# Altium PCB smu_unit.PcbDoc (part 1 of 3) (continued)
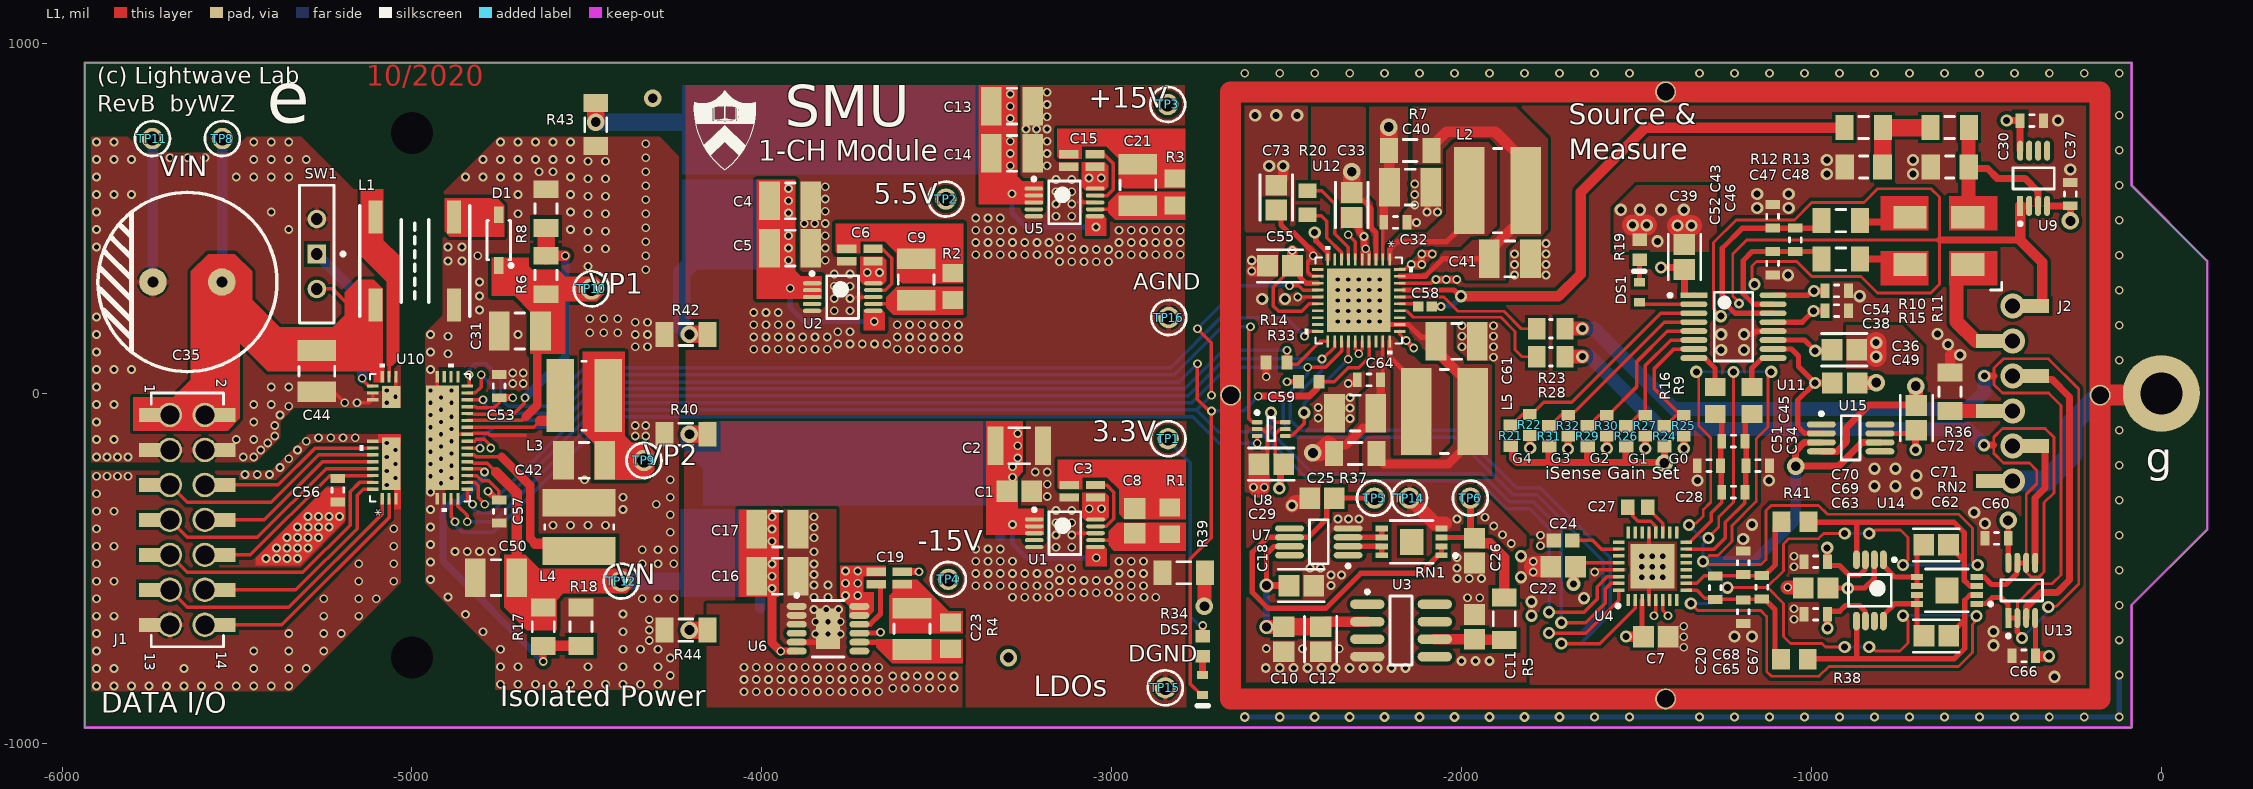
[diagram p0: L1 view]
## Components (designator, comment, footprint, x,y, rotation, side; value= is the part's Value field where it differs from the comment) (continued)
R36 "TNPW120620R0BEEN" RESC3216X04N -604,5 r90 top value=20
R37 "0" RESC3216X105X45ML10T20 -2304.01,-171.29 r0 top
R38 "TNPW0805100KBEEA" RESC2013X55X40ML15T20 -1049,-760 r180 top value=100
R39 "0" RESC3216X105X45ML10T20 -2793.89,-512.41 r0 top
R40 "0" RESC3216X105X45ML10T20 -4216.89,-116.41 r180 top
R41 "TNPW0805100KBEEA" RESC2013X55X40ML15T20 -1047,-367 r180 top value=100
R42 "0" RESC3216X105X45ML10T20 -4216.89,168.59 r0 top
R43 "0" RESC3216X105X45ML10T20 -4474.89,768.59 r90 top
R44 "0" RESC3216X105X45ML10T20 -4216.89,-676.41 r0 top
RN1 "LT5400AHMS8E-4#PBF" FP-MS8E-8-05-08-1662-MFG -2142.55,-424.2 r180 top value=1kΩ
RN2 "LT5400AHMS8E-4#PBF" FP-MS8E-8-05-08-1662-MFG -613,-563 r180 top value=1kΩ
SW1 "09.03201.02" EOZ-09.03201.02-3 -5271.89,398.59 r270 top
TP1 "5002" KSTN-5002 -2838.89,-129.41 r0 top
TP2 "5002" KSTN-5002 -3473.89,555.59 r0 top
TP3 "5002" KSTN-5002 -2840,826 r0 top
TP4 "5002" KSTN-5002 -3466.89,-531.41 r0 top
TP5 "5002" KSTN-5002 -2249,-299 r0 top
TP6 "5002" KSTN-5002 -1975,-299 r90 top
TP8 "5002" KSTN-5002 -5541.89,728.59 r0 top
TP9 "5002" KSTN-5002 -4336.89,-191.41 r90 top
TP10 "5002" KSTN-5002 -4486.89,298.59 r0 top
TP11 "5001" KSTN-5001 -5741.89,728.59 r90 top
TP12 "5002" KSTN-5002 -4401.89,-536.41 r90 top
TP14 "5001" KSTN-5001 -2149,-299 r90 top
TP15 "5001" KSTN-5001 -2846.89,-841.41 r90 top
TP16 "5001" KSTN-5001 -2837,217 r90 top
U1 "LT3042" TSSOP50P490X110-10N -3133.89,-399.41 r0 top
U2 "LT3042" TSSOP50P490X110-10N -3768.89,275.59 r0 top
U3 "ADR4525BRZ" ADI-R-8_M -2172.89,-677.41 r0 top
U4 "MAX11254ATJ+" QFN50P500X500X80-33N -1454.54,-493.79 r90 top
U5 "LT3042" TSSOP50P490X110-10N -3135,546 r0 top
U6 "LT3093" TSOP65P510X110_HS-13N -3810.78,-672.52 r0 top
U7 "ADA4528-1ARMZ" ADI-RM-8_M -2408,-424 r180 top
U8 "SN74LVC1G19DRLR" DRL0006A_M -2544,-102 r0 top
U9 "ADA4522-2ARMZ" FP-RM-8-IPC_C -365,615 r90 top
U10 "ADP1031ACPZ" CP_41_1 -4976.89,-126.41 r90 top value=Value
U11 "PGA281AIPWR" FP-PW0016A-IPC_A -1223,191 r0 top
U12 "AD5753BCPZ" CP_40_15-M -2293.9,265.96 r270 top value=Value
U13 "ADA4522-2ARMZ" FP-RM-8-IPC_C -399,-563 r90 top
U14 "THP210" TSOP65P490X110-8N -833,-563 r270 top
U15 "ADA4528-1ARMZ" ADI-RM-8_M -888,-127 r0 top

## Footprints (in the part's own frame and the unit in brackets; to place one, negate y for a bottom-side part, rotate by r counter-clockwise, add the part's x,y. Pads: shape width x height; smd on the part's side, far side on the other; paste and mask are expansions set on the pad)
750316743 [mil]
  rect 94x40 smd: 1(126,112) 2(126,-112) 3(-126,-112) 4(-126,112)
  silkscreen extent -157,-157 157,157, body extent -169,-163 169,163, height 380
61031421821 [mm] "Socket Header, Pitch 2.54 mm, SMT, Vertical, dual row, 14p"
  rect 1x1.8 smd: 1(-7.62,-2.6) 2(-7.62,2.6) 3(-5.08,-2.6) 4(-5.08,2.6) 5(-2.54,-2.6) 6(-2.54,2.6) 7(0,-2.6) 8(0,2.6) 9(2.54,-2.6) 10(2.54,2.6) 11(5.08,-2.6) 12(5.08,2.6) 13(7.62,-2.6) 14(7.62,2.6)
  silkscreen extent -9.22,-2.62 9.22,2.62, body extent -8.89,-3.35 8.89,3.35, height 8.52
A759PY687M1HAAE026 [mm]
  round 2 hole 0.8: 1(0,-2.5) 2(0,2.5)
  silkscreen extent -6.5,-6.5 6.5,6.5
ADI-R-8_M [mm] "SOIC, 8-Leads, Body 4.9x3.9mm, Pitch 1.27mm, IPC Low Density"
  oval 2.5x0.7 smd: 1(-2.45,1.905) 2(-2.45,0.635) 3(-2.45,-0.635) 4(-2.45,-1.905) 5(2.45,-1.905) 6(2.45,-0.635) 7(2.45,0.635) 8(2.45,1.905)
  silkscreen extent -2.57,-2.5 0.8,2.93, body extent -2,-2.5 2,2.5, height 1.75
ADI-RM-8_M [mm] "SOP, 8-Leads, Body 3x3mm, Pitch 0.65mm, IPC Low Density"
  oval 2.1x0.45 smd: 1(-2.125,0.975) 2(-2.125,0.325) 3(-2.125,-0.325) 4(-2.125,-0.975) 5(2.125,-0.975) 6(2.125,-0.325) 7(2.125,0.325) 8(2.125,0.975)
  silkscreen extent -2.25,-1.6 0.67,1.87, body extent -1.6,-1.6 1.6,1.6, height 1.1
CAP0805_4P [mm]
  rect 1.4x0.6 smd mask+0.076: 1(-0.95,0.45) 2(-0.95,-0.45) 3(0.95,0.45) 4(0.95,-0.45)
  body extent -1.02,-0.64 1.02,0.64, height 1.27
CAPC1005X55X25ML05T10 [mm] "Chip Capacitor, 2-Leads, Body 1.00x0.50mm, IPC Low Density"
  rect 0.76x0.72 smd: 1(-0.49,0) 2(0.49,0)
  body extent -0.53,-0.28 0.53,0.27, height 0.55
CAPC1608X87X35ML15T15 [mm] "Chip Capacitor, 2-Leads, Body 1.60x0.80mm, IPC Low Density"
  rect 1x1.1 smd: 1(-0.725,0) 2(0.725,0)
  body extent -0.87,-0.48 0.87,0.47, height 0.87
CAPC1608X90X20ML10 [mm] "Chip Capacitor, 2-Leads, Body 1.70x0.90mm, IPC Low Density"
  rect 0.65x1.05 smd: 1(-0.85,0) 2(0.85,0)
  silkscreen extent -0.15,-0.43 0.15,0.43, body extent -0.85,-0.45 0.85,0.45, height 0.9
CAPC1608X90X40ML10T20 [mm] "Chip Capacitor, 2-Leads, Body 1.7x0.9mm, IPC Low Density"
  rect 1.05x1.05 smd: 1(-0.675,0) 2(0.675,0)
  body extent -0.85,-0.45 0.85,0.45, height 0.9
CAPC2013X140X50ML20T25 [mm] "Chip Capacitor, 2-Leads, Body 2.00x1.25mm, IPC Low Density"
  rect 1.5x1.55 smd: 1(-0.9,0) 2(0.9,0)
  body extent -1.1,-0.72 1.1,0.72, height 1.4
CAPC2013X145X50ML20T25 [mm] "Chip Capacitor, 2-Leads, Body 2.00x1.25mm, IPC Low Density"
  rect 1.5x1.55 smd: 1(-0.9,0) 2(0.9,0)
  body extent -1.1,-0.72 1.1,0.72, height 1.45
CAPC3216X16N [mm] "Chip Capacitor, 2-Leads, Body 3.20x1.60mm, IPC Medium Density"
  rect 1.35x1.8 smd: 1(-1.375,0) 2(1.375,0)
  silkscreen extent -0.3,-0.8 0.3,0.8, body extent -1.7,-0.9 1.7,0.9, height 1.6
CAPC3225X270X30ML30 [mm] "Chip Capacitor, 2-Leads, Body 3.5x2.7mm, IPC Low Density"
  rect 1.15x2.8 smd: 1(-1.725,0) 2(1.725,0)
  silkscreen extent -0.75,-1.3 0.75,1.3, body extent -1.75,-1.35 1.75,1.35, height 2.7
CAPC3225X280X50ML20T25 [mm] "Chip Capacitor, 2-Leads, Body 3.4x2.7mm, IPC Low Density"
  rect 1.5x2.8 smd: 1(-1.5,0) 2(1.5,0)
  silkscreen extent -0.35,-1.3 0.35,1.3, body extent -1.7,-1.35 1.7,1.35, height 2.8
CP_40_15-M [mm]
  rect 0.856x0.198 smd paste+0 mask+0: 1(-2.978,2.25) 2(-2.978,1.75) 3(-2.978,1.25) 4(-2.978,0.75) 5(-2.978,0.25) 6(-2.978,-0.25) 7(-2.978,-0.75) 8(-2.978,-1.25) 9(-2.978,-1.75) 10(-2.978,-2.25) 21(2.978,-2.25) 22(2.978,-1.75) 23(2.978,-1.25) 24(2.978,-0.75) 25(2.978,-0.25) 26(2.978,0.25) 27(2.978,0.75) 28(2.978,1.25) 29(2.978,1.75) 30(2.978,2.25)
  rect 0.198x0.856 smd paste+0 mask+0: 11(-2.25,-2.978) 12(-1.75,-2.978) 13(-1.25,-2.978) 14(-0.75,-2.978) 15(-0.25,-2.978) 16(0.25,-2.978) 17(0.75,-2.978) 18(1.25,-2.978) 19(1.75,-2.978) 20(2.25,-2.978) 31(2.25,2.978) 32(1.75,2.978) 33(1.25,2.978) 34(0.75,2.978) 35(0.25,2.978) 36(-0.25,2.978) 37(-0.75,2.978) 38(-1.25,2.978) 39(-1.75,2.978) 40(-2.25,2.978)
  rect 4.6x4.6 smd paste-2.287 mask+0: 41(0,0)
  rect 4.6x4.6 smd far side paste-2.287 mask+0: 41(0,0)
  silkscreen extent -3.91,-3.91 3.91,3.91, body extent -2.92,-2.92 2.92,2.92, height 0.89
CP_41_1 [mm]
  rect 0.84x0.241 smd paste+0 mask+0: 1(-4.435,2.75) 2(-4.435,2.25) 3(-4.435,1.75) 4(-4.435,-1.25) 5(-4.435,-1.75) 6(-4.435,-2.25) 7(-4.435,-2.75) 24(4.435,-2.75) 25(4.435,-2.25) 26(4.435,-1.75) 27(4.435,-1.25) 28(4.435,1.75) 29(4.435,2.25) 30(4.435,2.75)
  rect 0.241x0.84 smd paste+0 mask+0: 8(-3.75,-3.435) 9(-3.25,-3.435) 10(-2.75,-3.435) 11(-2.25,-3.435) 12(-1.75,-3.435) 13(-1.25,-3.435) 14(-0.75,-3.435) 15(-0.25,-3.435) 16(0.25,-3.435) 17(0.75,-3.435) 18(1.25,-3.435) 19(1.75,-3.435) 20(2.25,-3.435) 21(2.75,-3.435) 22(3.25,-3.435) 23(3.75,-3.435) 31(3.75,3.435) 32(3.25,3.435) 33(2.75,3.435) 34(-0.25,3.435) 35(-0.75,3.435) 36(-1.25,3.435) 37(-1.75,3.435) 38(-2.25,3.435) 39(-2.75,3.435) 40(-3.25,3.435) 41(-3.75,3.435)
  rect 3.78x1.36 smd paste+0 mask+0: 42(-1.89,2.095)
  rect 3.78x1.36 smd far side: 42(-1.89,2.095)
  rect 7.6x2.4 smd paste+0 mask+0: 43(0,-1.628)
  rect 7.6x2.4 smd far side: 43(0,-1.628)
  rect 1.62x1.36 smd paste+0 mask+0: 44(2.96,2.095)
  rect 1.62x1.36 smd far side: 44(2.96,2.095)
  silkscreen extent -5.36,-3.63 5.36,4.36, body extent -4.45,-3.43 4.44,3.43, height 0.89
DIOD-SOD-123-2_V [mm] "SOD-123, 2-Leads, Body 2.85x1.7mm (max), Pitch 3.7mm"
  rect 1.2x0.7 smd: 1(-1.85,0) 2(1.85,0)
  silkscreen extent -1.43,-0.85 1.97,1.03, body extent -1.42,-0.85 1.43,0.85, height 1.45
DRL0006A_M [mm] "SOT23, 6-Leads, Body 1.7x1.3mm, Pitch 0.5mm, IPC Low Density"
  rrect33% 0.75x0.3 smd: 1(-1.025,0.5) 2(-1.025,0) 3(-1.025,-0.5) 4(1.025,-0.5) 5(1.025,0) 6(1.025,0.5)
  silkscreen extent -1.15,-0.85 0.25,1.32, body extent -0.65,-0.85 0.65,0.85, height 0.6
EOZ-09.03201.02-3 [mm] "TH, 3-Leads, Body 10x2.5mm, Pitch 2.54mm"
  rect 1.35x1.35 hole 0.85: 1(0,0)
  round 1.35 hole 0.85: 2(-2.54,0) 3(2.54,0)
  silkscreen extent -5,-1.25 5,2.02, body extent -5,-1.25 5,1.25, height 6.4
FP-C0805C-DN-IPC_A [mil]
  rect 59.24x61.27 smd paste+0 mask+0: 1(-35.46,0) 2(35.46,0)
  silkscreen extent -65,-46 65,46, body extent -85,-50 85,50, height 10
FP-MS8E-8-05-08-1662-MFG [mm]
  rect 0.889x0.42 smd paste+0 mask+0: 1(-2.171,0.975) 2(-2.171,0.325) 3(-2.171,-0.325) 4(-2.171,-0.975) 5(2.171,-0.975) 6(2.171,-0.325) 7(2.171,0.325) 8(2.171,0.975)
  rect 1.68x1.88 smd paste+0 mask+0: 9(0,0)
  silkscreen extent -3.3,-1.55 1.55,1.55, body extent -2.72,-1.8 2.72,1.8, height 0.25
FP-PW0016A-IPC_A [mm]
  rect 1.955x0.421 smd paste+0 mask+0: 1(-2.875,2.275)
  rrect100% 1.955x0.421 smd paste+0 mask+0: 2(-2.875,1.625) 3(-2.875,0.975) 4(-2.875,0.325) 5(-2.875,-0.325) 6(-2.875,-0.975) 7(-2.875,-1.625) 8(-2.875,-2.275) 9(2.875,-2.275) 10(2.875,-1.625) 11(2.875,-0.975) 12(2.875,-0.325) 13(2.875,0.325) 14(2.875,0.975) 15(2.875,1.625) 16(2.875,2.275)
  silkscreen extent -4.73,-2.5 1.4,2.5, body extent -4.35,-3 4.35,3, height 0.25
FP-RM-8-IPC_C [mm]
  rect 1.454x0.436 smd paste+0 mask+0: 1(-2,0.975)
  rrect100% 1.454x0.436 smd paste+0 mask+0: 2(-2,0.325) 3(-2,-0.325) 4(-2,-0.975) 5(2,-0.975) 6(2,-0.325) 7(2,0.325) 8(2,0.975)
  silkscreen extent -3.43,-1.5 0.77,1.5
"HEADER 6 SMD" [mil]
  rect 39x79 smd: 1(0,129.92) 2(100,0) 3(200,129.92) 4(300,0) 5(400,129.92) 6(500,0)
KSTN-5001 [mm] "Test Point, Through Hole, Dia 2.54mm"
  round 1.55 hole 1.016: 1(0,0)
  silkscreen extent -1.27,-1.27 1.27,1.27, body extent -1.25,-1.25 1.25,1.25, height 4.62
KSTN-5002 [mm] "Test Point, Through Hole, Dia 2.54mm"
  round 1.55 hole 1.016: 1(0,0)
  silkscreen extent -1.27,-1.27 1.27,1.27, body extent -1.25,-1.25 1.25,1.25, height 4.62
QFN50P500X500X80-33N [mm]
  rect 0.85x0.25 smd paste+0 mask+0: 1(-2.45,1.75) 2(-2.45,1.25) 3(-2.45,0.75) 4(-2.45,0.25) 5(-2.45,-0.25) 6(-2.45,-0.75) 7(-2.45,-1.25) 8(-2.45,-1.75) 17(2.45,-1.75) 18(2.45,-1.25) 19(2.45,-0.75) 20(2.45,-0.25) 21(2.45,0.25) 22(2.45,0.75) 23(2.45,1.25) 24(2.45,1.75)
  rect 0.25x0.85 smd paste+0 mask+0: 9(-1.75,-2.45) 10(-1.25,-2.45) 11(-0.75,-2.45) 12(-0.25,-2.45) 13(0.25,-2.45) 14(0.75,-2.45) 15(1.25,-2.45) 16(1.75,-2.45) 25(1.75,2.45) 26(1.25,2.45) 27(0.75,2.45) 28(0.25,2.45) 29(-0.25,2.45) 30(-0.75,2.45) 31(-1.25,2.45) 32(-1.75,2.45)
  rect 3.2x3.2 smd paste+0 mask+0: 33(0,0)
  silkscreen extent -3,2.37 -2.75,2.62, body extent -2.55,-2.55 2.55,2.55, height 0.8
RESC1608X55X25ML10T15 [mm] "Chip Resistor, 2-Leads, Body 1.60x0.80mm, IPC Low Density"
  rect 0.8x1 smd: 1(-0.75,0) 2(0.75,0)
  body extent -0.85,-0.45 0.85,0.45, height 0.55
RESC1608X55X30ML15T15 [mm] "Chip Resistor, 2-Leads, Body 1.60x0.80mm, IPC Low Density"
  rect 0.9x1.05 smd: 1(-0.725,0) 2(0.725,0)
  body extent -0.87,-0.48 0.87,0.48, height 0.55
RESC2012X04N [mm] "Chip Resistor, 2-Leads, Body 2.00x1.20mm, IPC Medium Density"
  rect 1.05x1.3 smd: 1(-0.875,0) 2(0.875,0)
  body extent -1.05,-0.65 1.05,0.65, height 0.45
RESC2013X50X30ML20T20 [mm] "Chip Resistor, 2-Leads, Body 2.00x1.25mm, IPC Low Density"
  rect 1.25x1.55 smd: 1(-1.025,0) 2(1.025,0)
  silkscreen extent -0.1,-0.67 0.1,0.67, body extent -1.1,-0.72 1.1,0.72, height 0.5
RESC2013X55X40ML15T20 [mm] "Chip Resistor, 2-Leads, Body 2.00x1.25mm, IPC Low Density"
  rect 1.3x1.5 smd: 1(-0.975,0) 2(0.975,0)
  body extent -1.07,-0.7 1.08,0.7, height 0.55
RESC3216X04N [mm] "Chip Resistor, 2-Leads, Body 3.20x1.60mm, IPC Medium Density"
  rect 1.3x1.8 smd: 1(-1.4,0) 2(1.4,0)
  silkscreen extent -0.35,-0.8 0.35,0.8, body extent -1.7,-0.9 1.7,0.9, height 0.4
RESC3216X105X45ML10T20 [mm] "Chip Resistor, 2-Leads, Body 3.20x1.60mm, IPC Low Density"
  rect 1.3x1.8 smd: 1(-1.55,0) 2(1.55,0)
  silkscreen extent -0.5,-0.8 0.5,0.8, body extent -1.65,-0.85 1.65,0.85, height 1.05
RSHUNT [mil]
  rect 95x65 smd: 1(-82.5,67.5) 2(-82.5,-67.5) 3(82.5,-67.5) 4(82.5,67.5)
  L1 region: 29.53,-127.95 167.32,-127.95 167.32,-29.53 29.53,-29.53
  L1 region: 29.53,29.53 167.32,29.53 167.32,127.95 29.53,127.95
  L1 region: -167.32,-127.95 -29.53,-127.95 -29.53,-29.53 -167.32,-29.53
  L1 region: -167.32,29.53 -29.53,29.53 -29.53,127.95 -167.32,127.95
  silkscreen extent -180,118 -148,140, body extent -125,-80 125,80, height 40
TSOP65P490X110-8N [mm] "TSOP, 8-Leads, Body 3.00x3.00mm, Pitch 0.65mm, IPC Medium Density"
  oval 1.35x0.5 smd: 1(-2.225,0.975) 2(-2.225,0.325) 3(-2.225,-0.325) 4(-2.225,-0.975) 5(2.225,-0.975) 6(2.225,-0.325) 7(2.225,0.325) 8(2.225,0.975)
  silkscreen extent -2.35,-1.55 1.15,1.9, body extent -1.55,-1.55 1.55,1.55, height 1.1
TSOP65P510X110_HS-13N [mm] "TSOP, 12-Leads, Body 4.00x3.00mm, Pitch 0.65mm, Thermal Pad 2.95x1.75mm, IPC Medium Density"
  oval 1.45x0.5 smd: 1(-2.275,1.625) 2(-2.275,0.975) 3(-2.275,0.325) 4(-2.275,-0.325) 5(-2.275,-0.975) 6(-2.275,-1.625) 7(2.275,-1.625) 8(2.275,-0.975) 9(2.275,-0.325) 10(2.275,0.325) 11(2.275,0.975) 12(2.275,1.625)
  rect 1.75x2.95 smd: 13(0,0)
  silkscreen extent -2.4,-2.05 1.15,2.55, body extent -1.55,-2.05 1.55,2.05, height 1.1
TSSOP50P490X110-10N [mm] "TSSOP, 10-Leads, Body 3.00x3.00mm, Pitch 0.50mm, IPC Medium Density"
  oval 1.35x0.3 smd: 1(-2.225,1) 2(-2.225,0.5) 3(-2.225,0) 4(-2.225,-0.5) 5(-2.225,-1) 6(2.225,-1) 7(2.225,-0.5) 8(2.225,0) 9(2.225,0.5) 10(2.225,1)
  silkscreen extent -2.35,-1.55 1.15,1.82, body extent -1.55,-1.55 1.55,1.55, height 1.1
VISH-TLMS1000_V [mm] "SMD, 2-Leads, Body 0.8x1.6mm"
  rect 0.6x0.8 smd: 1(-0.725,0) 2(0.725,0)
  silkscreen extent 1.52,-0.4 1.52,0.4, body extent -0.8,-0.4 0.8,0.4, height 0.65
WE-TPC-4828-MH [mm] "SMD Inductor, 2-Leads, Body 4.8 x 4.8 mm"
  rect 2x5.3 smd: 1(-1.75,0) 2(1.75,0)
  silkscreen extent -0.15,-2.5 0.15,2.5, body extent -2.4,-2.4 2.4,2.4, height 2.79
WE-TPC-5818-L [mm] "SMD Inductor, 2-Leads, Body 5.8 x 5.8 mm"
  rect 2.2x6.3 smd: 1(-2.05,0) 2(2.05,0)
  silkscreen extent -0.3,-3.05 0.3,3.05, body extent -2.9,-2.9 2.9,2.9, height 1.79

## Part data
C1 C7 C8 C10 C11 C22: library part CMP-2007-03297-1, Manufacturer=Kemet, Part Number=C0805C475K4PACTU, Rated Voltage=16V
C2: library part CMP-2000-06364-1, "Chip Capacitor, 22 uF, +/- 10%, 16 V, -55 to 125 degC, 1210 (3225 Metric), RoHS, Tape and Reel", Capacitance=22uF, Case Size/Dimension=1210, Dielectric=X7R, Manufacturer=Murata, Package Description="2-Pin Surface Mount Device, Body 3.2 x 2.5 mm", Rated Voltage=16V, Tolerance (%)=±10%, Datasheet URL=http://media.digikey.com/pdf/Data%20Sheets/Murata%20PDFs/grm32er71c226ke18.pdf, Datasheet Version=11/2010, Manufacturer URL=http://www.murata.com/, Mounting Technology=SurfaceMount, Package Reference=1210
C3: library part CAP0805_4P, Rated Voltage=16V
C4 C13 C16 C31 C40 C41 C42 C44 C50 C59 C61: library part CMP-2000-07565-1, "Chip Capacitor, 10 uF, +/- 10%, 50 V, -55 to 125 degC, 1210 (3225 Metric), RoHS, Tape and Reel", Capacitance=10uF, Case Code (Imperial)=1210, Case Code (Metric)=3225, Dielectric=X7R, Dielectric Material=Ceramic, Manufacturer=Kemet, Max Operating Temperature=125degC, Min Operating Temperature=-55degC, Package Description="2-Pin Surface Mount Device, Body 3.2 x 2.5 mm", Package Quantity=1000, Tolerance=10%, Voltage=50V, Case\/Package=1210, Datasheet URL=http://www.kemet.com/Lists/ProductCatalog/Attachments/53/KEM_C1002_X7R_SMD.pdf, Datasheet Version=06/2017, Depth=2.5mm, Height=2.5mm, Length=3.2mm, Manufacturer URL=http://www.kemet.com/, Mount=SurfaceMount, Mounting Technology=SurfaceMount, Package Reference=1210, Packaging=TapeandReel, REACH SVHC=NoSVHC, RoHSCompliant=True, Termination=SMD/SMT, Thickness=0.11inch, Voltage Rating=50V, Voltage Rating (DC)=50V, Weight=0.000564oz, Width=2.5mm
C5 C9 C14 C17 C21 C23: library part CMP-2000-07565-1, "Chip Capacitor, 10 uF, +/- 10%, 50 V, -55 to 125 degC, 1210 (3225 Metric), RoHS, Tape and Reel", Capacitance=4.7uF, Case Code (Imperial)=1210, Case Code (Metric)=3225, Dielectric=X7R, Dielectric Material=Ceramic, Manufacturer=Kemet, Max Operating Temperature=125degC, Min Operating Temperature=-55degC, Package Description="2-Pin Surface Mount Device, Body 3.2 x 2.5 mm", Package Quantity=1000, Tolerance=10%, Voltage=50V, Case\/Package=1210, Datasheet URL=http://www.kemet.com/Lists/ProductCatalog/Attachments/53/KEM_C1002_X7R_SMD.pdf, Datasheet Version=06/2017, Depth=2.5mm, Height=2.5mm, Length=3.2mm, Manufacturer URL=http://www.kemet.com/, Mount=SurfaceMount, Mounting Technology=SurfaceMount, Package Reference=1210, Packaging=TapeandReel, REACH SVHC=NoSVHC, RoHSCompliant=True, Termination=SMD/SMT, Thickness=0.11inch, Voltage Rating=50V, Voltage Rating (DC)=50V, Weight=0.000564oz, Width=2.5mm
C6 C15 C19: library part CAP0805_4P, Rated Voltage=50V
C12 C33 C55 C62 C71 C73: library part CMP-03020-007116-1, "CAP CER 0.1UF 16V X7R 0805", Capacitance="0.10 μF", Manufacturer=KEMET, Package=C0805C-DN, Temperature="-55°C to +125°C", Temperature Characteristic=X7R, Temperature Coefficient=30ppm/°C, Temperature Range High=+125°C, Temperature Range Low=-55°C, Tolerance=0.05, Voltage Rating="16 V", Automotive=No, Category=Cap, ComponentLink2Description=Datasheet, ComponentLink2URL=https://content.kemet.com/datasheets/KEM_C1003_C0G_SMD.pdf, Device Class L1="Passive Components", Device Class L2=Capacitors, Device Class L3="Ceramic Capacitors", Digikey Description="CAP CER 0.1UF 16V X7R 0805", Height=0.88mm, Ipc Land Pattern Name=CAPC200125X78, Lead Free=Yes, Manufacturer Part Number=C0805C104J4RACTU, Material=Ceramic, Mouser Description="Multilayer Ceramic Capacitors MLCC - SMD/SMT 16volts 0.1uF X7R 5%", Octopart=https://octopart.com/c0805c104j4ractu-kemet-12563748, RoHS=TRUE
C18 C29 C36 C39 C72: library part CMP-03020-032188-1, "CAP CER 0.1UF 10V 5% X7R 0805", Capacitance="0.10 μF", Manufacturer=KEMET, Package=C0805C-DN, Temperature="-55°C to +125°C", Temperature Characteristic=X7R, Temperature Coefficient=30ppm/°C, Temperature Range High=+125°C, Temperature Range Low=-55°C, Tolerance=0.05, Voltage Rating="10 V", Automotive=No, Category=Cap, ComponentLink2Description=Datasheet, ComponentLink2URL=https://content.kemet.com/datasheets/KEM_C1003_C0G_SMD.pdf, Device Class L1="Passive Components", Device Class L2=Capacitors, Device Class L3="Ceramic Capacitors", Digikey Description="CAP CER 0.1UF 10V 5% X7R 0805", Height=0.88mm, Ipc Land Pattern Name=CAPC200125X78, Lead Free=Yes, Manufacturer Part Number=C0805C104J8RACTU, Material=Ceramic, Mouser Description="Multilayer Ceramic Capacitors MLCC - SMD/SMT 10volts 0.1uF X7R 5%", Octopart=https://octopart.com/c0805c104j8ractu-kemet-11807087, RoHS=TRUE
C20 C28: library part CMP-2000-07546-1, "Chip Capacitor, 0.1 uF, +/- 10%, 50 V, -55 to 125 degC, 0603 (1608 Metric), RoHS, Tape and Reel", Capacitance=1nF, Case Code (Imperial)=0603, Case Code (Metric)=1608, Dielectric=X7R, Manufacturer=TDK, Max Operating Temperature=125degC, Min Operating Temperature=-55degC, Package Description="2-Pin Surface Mount Device, Body 1.6 x 0.8 mm", Package Quantity=1, Package Reference=603, Tolerance=10%, Voltage=50V, Voltage Rating=16V, Case/Package=0603, Composition=Ceramic, Datasheet URL=https://product.tdk.com/info/en/catalog/datasheets/mlcc_automotive_general_en.pdf, Datasheet Version=12/2014, Depth=0.8mm, Height=0.8mm, Lead Free=LeadFree, Length=1.6mm, Manufacturer URL=http://www.tdk.com/, Mount=SurfaceMount, Mounting Technology=SurfaceMount, Packaging=TapeandReel, Radiation Hardening=No, REACH SVHC=NoSVHC, RoHSCompliant=True, Termination=SMD/SMT, Thickness=0.035inch, Voltage Rating (DC)=50V, Weight=7.1E-05oz, Width=0.8mm
C24: library part CMP-2100-03597-1, "Chip Capacitor, 220 nF, +/- 10%, 16 V, -55 to 125 degC, 0603 (1608 Metric), RoHS, Tape and Reel", Capacitance=220nF, Case Code (Imperial)=0603, Case Code (Metric)=1608, Dielectric=X7R, Manufacturer=Yageo, Max Operating Temperature=125degC, Min Operating Temperature=-55degC, Package Description="2-Pin Surface Mount Device, Body 1.6 x 0.8 mm", Package Quantity=1, Tolerance=10%, Voltage=16V, Case/Package=0603, Datasheet URL=http://www.yageo.com/documents/recent/UPY-GPHC_X7R_6.3V-to-50V_15.pdf, Datasheet Version="Rev. 15, 10/2016", Depth=0.8mm, Height=0.8mm, Lead Free=LeadFree, Length=1.6mm, Manufacturer URL=http://www.yageo.com/, Mount=SurfaceMount, Package Reference=0603, Packaging=TapeandReel, Radiation Hardening=No, REACH SVHC=NoSVHC, RoHSCompliant=True, Thickness=0.035inch, Voltage Rating=16V, Voltage Rating (DC)=16V, Width=0.031inch
C25 C49 C69: library part CMP-2007-03243-1, Manufacturer=Kemet, Part Number=C0805C106K8PACTU, Rated Voltage=6.3V
C26: library part CMP-2007-01029-1, Manufacturer=Kemet, Rated Voltage=10V, Part Number=C0805C275K8PACTU
C27: library part CMP-2006-03010-1, "C0603C102J3GACTU", Manufacturer=Kemet, Part Number=C0603C102J3GACTU
C30 C32 C37 C38 C54 C60 C63 C64 C66 C70: library part CMP-2000-07546-1, "Chip Capacitor, 0.1 uF, +/- 10%, 50 V, -55 to 125 degC, 0603 (1608 Metric), RoHS, Tape and Reel", Capacitance=0.1uF, Case Code (Imperial)=0603, Case Code (Metric)=1608, Dielectric=X7R, Manufacturer=TDK, Max Operating Temperature=125degC, Min Operating Temperature=-55degC, Package Description="2-Pin Surface Mount Device, Body 1.6 x 0.8 mm", Package Quantity=1, Package Reference=603, Tolerance=10%, Voltage=50V, Case/Package=0603, Composition=Ceramic, Datasheet URL=https://product.tdk.com/info/en/catalog/datasheets/mlcc_automotive_general_en.pdf, Datasheet Version=12/2014, Depth=0.8mm, Height=0.8mm, Lead Free=LeadFree, Length=1.6mm, Manufacturer URL=http://www.tdk.com/, Mount=SurfaceMount, Mounting Technology=SurfaceMount, Packaging=TapeandReel, Radiation Hardening=No, REACH SVHC=NoSVHC, RoHSCompliant=True, Termination=SMD/SMT, Thickness=0.035inch, Voltage Rating=50V, Voltage Rating (DC)=50V, Weight=7.1E-05oz, Width=0.8mm
C34 C43 C45 C46 C51 C52 C65 C67 C68: library part CMP-2000-07546-1, "Chip Capacitor, 0.1 uF, +/- 10%, 50 V, -55 to 125 degC, 0603 (1608 Metric), RoHS, Tape and Reel", Capacitance=3.9nF, Case Code (Imperial)=0603, Case Code (Metric)=1608, Dielectric=X7R, Manufacturer=TDK, Max Operating Temperature=125degC, Min Operating Temperature=-55degC, Package Description="2-Pin Surface Mount Device, Body 1.6 x 0.8 mm", Package Quantity=1, Package Reference=603, Tolerance=10%, Voltage=50V, Voltage Rating=16V, Case/Package=0603, Composition=Ceramic, Datasheet URL=https://product.tdk.com/info/en/catalog/datasheets/mlcc_automotive_general_en.pdf, Datasheet Version=12/2014, Depth=0.8mm, Height=0.8mm, Lead Free=LeadFree, Length=1.6mm, Manufacturer URL=http://www.tdk.com/, Mount=SurfaceMount, Mounting Technology=SurfaceMount, Packaging=TapeandReel, Radiation Hardening=No, REACH SVHC=NoSVHC, RoHSCompliant=True, Termination=SMD/SMT, Thickness=0.035inch, Voltage Rating (DC)=50V, Weight=7.1E-05oz, Width=0.8mm
C35: Rated Voltage=50V
C47 C48: library part "Cap Semi", "Capacitor (Semiconductor SIM Model)", Rated Voltage=16V, LatestRevisionDate=29-May-2009, LatestRevisionNote="IPC-7351 Footprint Added.", PackageDescription="Chip Capacitor", PackageReference=C1206, Published=8-Jun-2000, Publisher="Altium Limited"
C53 C57: library part CMP-2000-07546-1, "Chip Capacitor, 0.1 uF, +/- 10%, 50 V, -55 to 125 degC, 0603 (1608 Metric), RoHS, Tape and Reel", Capacitance=100nF, Case Code (Imperial)=0603, Case Code (Metric)=1608, Dielectric=X7R, Manufacturer=TDK, Max Operating Temperature=125degC, Min Operating Temperature=-55degC, Package Description="2-Pin Surface Mount Device, Body 1.6 x 0.8 mm", Package Quantity=1, Package Reference=603, Tolerance=10%, Voltage=50V, Case/Package=0603, Composition=Ceramic, Datasheet URL=https://product.tdk.com/info/en/catalog/datasheets/mlcc_automotive_general_en.pdf, Datasheet Version=12/2014, Depth=0.8mm, Height=0.8mm, Lead Free=LeadFree, Length=1.6mm, Manufacturer URL=http://www.tdk.com/, Mount=SurfaceMount, Mounting Technology=SurfaceMount, Packaging=TapeandReel, Radiation Hardening=No, REACH SVHC=NoSVHC, RoHSCompliant=True, Termination=SMD/SMT, Thickness=0.035inch, Voltage Rating=50V, Voltage Rating (DC)=50V, Weight=7.1E-05oz, Width=0.8mm
C56: library part CMP-2000-07546-1, "Chip Capacitor, 0.1 uF, +/- 10%, 16 V, -55 to 125 degC, 0603 (1608 Metric), RoHS, Tape and Reel", Capacitance=100nF, Case Code (Imperial)=0603, Case Code (Metric)=1608, Dielectric=X7R, Manufacturer=TDK, Max Operating Temperature=125degC, Min Operating Temperature=-55degC, Package Description="2-Pin Surface Mount Device, Body 1.6 x 0.8 mm", Package Quantity=1, Package Reference=603, Tolerance=10%, Voltage=50V, Case/Package=0603, Composition=Ceramic, Datasheet URL=https://product.tdk.com/info/en/catalog/datasheets/mlcc_automotive_general_en.pdf, Datasheet Version=12/2014, Depth=0.8mm, Height=0.8mm, Lead Free=LeadFree, Length=1.6mm, Manufacturer URL=http://www.tdk.com/, Mount=SurfaceMount, Mounting Technology=SurfaceMount, Packaging=TapeandReel, Radiation Hardening=No, REACH SVHC=NoSVHC, RoHSCompliant=True, Termination=SMD/SMT, Thickness=0.035inch, Voltage Rating=50V, Voltage Rating (DC)=50V, Weight=7.1E-05oz, Width=0.8mm
C58: library part CMP-2008-03726-1, Manufacturer=Murata, Part Number=GCM155R71H221KA37D
D1: library part CMP-0303-00004-1, "Surface Mount Schottky Barrier Diode, 100 V, -55 to 125 degC, 2-Pin SOD123, RoHS, Tape and Reel", Manufacturer="Diodes Inc", Operating Temperature="-55 to 125 degC", ComponentLink1Description="Manufacturer URL", ComponentLink1URL=http://www.diodes.com/, ComponentLink2Description=Datasheet, ComponentLink2URL=http://diodes.com/datasheets/ds30044.pdf, ComponentLink3Description="Package Specification", ComponentLink3URL=http://diodes.com/datasheets/ds30044.pdf, CT@1 V="12 pF Typ.", DatasheetVersion="Rev. 16-2", IR@1.5 V="0.3 uA Max.", Mounting Technology="Surface Mount", PackageDescription="2-Pin SMD, Body 2.7 x 1.55 mm, Height 1.45 mm", Packing="Tape and Reel", PartNumber=BAT46W-7-F, RoHS=TRUE, V(BR)R="100 V Min.", VF@10 mA="0.45 V Max."
DS1 DS2: library part CMP-2000-07254-1, "Low Current LED, 40 mW, 1.8 V, -40 to 100 degC, 2-Pin SMD (0603), RoHS, Tape and Reel", Forward Current If=2mA, Forward Voltage=1.8V, LED Colour=Red, Manufacturer=Vishay, Package Description="2-Pin Surface Mount Device, Body 1.6 x 0.8 mm", Package Reference=TLMS1000, Automotive Qualification Standard=AEC-Q100, Bulb Size=1.6mmx0.8mm, Datasheet URL=https://datasheet.ciiva.com/5798/1698881-5798337.pdf, Datasheet Version="Rev. 1.7, 02/2011", LED Mounting=SMD, Lens Shape=Rectangular, Luminous Intensity=4mcd, Manufacturer URL=http://www.vishay.com/, Mounting Technology=SurfaceMount, MSL=MSL2-1year, Packaging=CutTape, Product Range=-, SVHC=ToBeAdvised, Viewing Angle=80°, Wavelength Typ=636nm
J1: library part CMP-1502-01307-1, "SMT Vertical Socket Header WR-PHD, Pitch 2.54 mm, Dual Row, 14 pins", Contact Resistance=20mOhm, Manufacturer="Wurth Elektronik", Operating Temperature=-40to105degC, Rated Current=3A, Withstanding Voltage=600VAC, Working Voltage=250VAC, Datasheet URL=https://katalog.we-online.de/em/datasheet/6103xx21821.pdf, Gender=Female, Manufacturer URL=http://www.we-online.de, Mounting Technology=SMT, Orientation=Vertical, Package Reference=61031421821, Packaging=TapeandReel, Part Number=61031421821, Pin Number=14, Pitch=2.54mm, Publisher=WurthElektronik, Row Number=Dual
L2 L5: library part CMP-0227-00402-1, "SMD Shielded Tiny Power Inductor WE-TPC, L = 47.0 µH", Inductance="47 µH", ComponentLink1Description="Manufacturer Link", ComponentLink1URL=http://www.we-online.com, ComponentLink2Description=Datasheet, ComponentLink2URL=http://www.we-online.de/katalog/media/pdf/744052470.pdf, DatasheetVersion="ver 7, Aug-2010", PackageDescription="SMD Inductor, 2-Leads, Body 5.8 x 5.8 mm", PackageReference=WE-TPC-5818-L, PackageVersion=2010
L3 L4: library part CMP-0227-00334-1, "SMD Shielded Tiny Power Inductor WE-TPC, L = 100 µH", Inductance="100 µH", ComponentLink1Description="Manufacturer Link", ComponentLink1URL=http://www.we-online.com, ComponentLink2Description=Datasheet, ComponentLink2URL=http://www.we-online.de/katalog/media/pdf/744043101.pdf, DatasheetVersion="ver 6, Aug-2010", PackageDescription="SMD Inductor, 2-Leads, Body 4.8 x 4.8 mm", PackageReference=WE-TPC-4828-MH, PackageVersion=2010
R1: library part CMP-2001-04765-1, "33.2K", Manufacturer="Vishay Dale", Part Number=TNPW080533K2BEEN
R2 R4: library part CMP-2001-04733-1, Manufacturer="Vishay Dale", Part Number=TNPW0805150KBEEN
R3: library part CMP-2001-04765-1, "33.2K", Manufacturer="Vishay Dale", Part Number=TNPW080533K2BEEN
R5 R7 R37 R39 R40 R42 R43 R44: library part CMP-2003-04857-1, Manufacturer="Vishay Dale", Part Number=CRCW12060000Z0EA
R6 R8 R10 R12 R13 R15 R17 R18 R20 R36: library part "Res Semi", "Semiconductor Resistor", LatestRevisionDate=17-Jul-2002, LatestRevisionNote="Re-released for DXP Platform.", PackageDescription="Axial Device, Thru-Hole; 2 Leads; 0.5 in Pin Spacing", PackageReference=AXIAL-0.5, Published=8-Jun-2000, Publisher="Altium Limited"
R9 R16 R38 R41: library part CMP-2001-04720-1, Manufacturer="Vishay Dale", Part Number=TNPW0805100KBEEA
R14 R33: library part CMP-2100-03662-1, "Chip Resistor, 100 KOhm, +/- 1%, 0.1 W, -55 to 155 degC, 0603 (1608 Metric), RoHS, Tape and Reel", Case Code (Imperial)=0603, Case Code (Metric)=1608, Manufacturer=Yageo, Max Operating Temperature=155degC, Min Operating Temperature=-55degC, Package Description="2-Pin Surface Mount Device, Body 1.6 x 0.8 mm", Power Rating=100mW, Resistance=100KOhm, Temperature Coefficient=100ppm/degreesC, Tolerance=1%, Voltage Rating=50V, Case/Package=0603, Composition=ThickFilm, Datasheet URL=http://www.yageo.com/NewPortal/yageodocoutput?fileName=/pdf/R-Chip/PYu-RC_Group_51_RoHS_L_5.pdf, Datasheet Version="Rev. 5, 10/2016", Depth=0.8mm, Height=0.45mm, Lead Free=LeadFree, Length=1.6mm, Manufacturer URL=http://www.yageo.com/, Military Standard=Not, Number of Pins=2, Package Reference=0603, Packaging=TapeandReel, REACH SVHC=NoSVHC, RoHSCompliant=true, Termination=SMD/SMT, Voltage Rating (DC)=50V, Width=0.8mm
R19 R21 R24 R26 R29 R31 R34: library part CMP-2000-00180-1, Manufacturer=Panasonic, Part Number=ERJ-3EKF1001V
R22 R25 R27 R30 R32: library part CMP-2100-03662-1, "Chip Resistor, 100 KOhm, +/- 1%, 0.1 W, -55 to 155 degC, 0603 (1608 Metric), RoHS, Tape and Reel", Case Code (Imperial)=0603, Case Code (Metric)=1608, Manufacturer=Yageo, Max Operating Temperature=155degC, Min Operating Temperature=-55degC, Package Description="2-Pin Surface Mount Device, Body 1.6 x 0.8 mm", Power Rating=100mW, Resistance=100K, Temperature Coefficient=100ppm/degreesC, Tolerance=1%, Voltage Rating=50V, Case/Package=0603, Composition=ThickFilm, Datasheet URL=http://www.yageo.com/NewPortal/yageodocoutput?fileName=/pdf/R-Chip/PYu-RC_Group_51_RoHS_L_5.pdf, Datasheet Version="Rev. 5, 10/2016", Depth=0.8mm, Height=0.45mm, Lead Free=LeadFree, Length=1.6mm, Manufacturer URL=http://www.yageo.com/, Military Standard=Not, Number of Pins=2, Package Reference=0603, Packaging=TapeandReel, REACH SVHC=NoSVHC, RoHSCompliant=true, Termination=SMD/SMT, Voltage Rating (DC)=50V, Width=0.8mm
R23 R28: library part CMP-2001-03595-1, "CRCW08051K00FKEA", Manufacturer="Vishay Dale", Part Number=CRCW08051K00FKEA
RN1 RN2: library part CMP-09039-000001-1, "RES ARRAY 4 RES 1K OHM 8TSSOP", Manufacturer="Analog Devices", Number Of Resistors=4, Package=MS8E-8-05-08-1662, Power Per Resistor=800mW, Resistance=1kΩ, Temperature="-40°C to +125°C", Temperature Coefficient=8ppm/°C, Temperature Range High=+125°C, Temperature Range Low=-40°C, Tolerance=7.5%, Voltage Rating=75V, Automotive=No, Category=Res, ComponentLink2Description=Datasheet, ComponentLink2URL=https://www.analog.com/media/en/technical-documentation/data-sheets/5400fc.pdf, Device Class L1="Passive Components", Device Class L2=Resistors, Device Class L3="Resistor Arrays", Digikey Description="RES ARRAY 4 RES 1K OHM 8TSSOP", Height=1.1mm, Ipc Land Pattern Name=SOP65P490X110-8, Lead Free=Yes, Manufacturer Part Number=LT5400AHMS8E-4#PBF, Octopart=https://octopart.com/lt5400ahms8e-4%23pbf-analog+devices-88940367, RoHS=TRUE, Series=LT5400, Standoff Height=0.0508mm, Termination=Gull-Wing
SW1: library part CMP-2000-05100-1, "PCB Switch, SPDT, 12 V, 500 mA, 6 W, -40 to 85 degC, 3-Pin THD, RoHS, Tape and Reel", Contact Current Rating=500mA@24V, Manufacturer=EOZ, Maximum Operating Temperature=+85degC, Minimum Operating Temperature=-40degC, Operating Temperature Range=-40→+85degC, Package Style=SIP, Actuator Type=Slide, Contact Configuration=SPST, Contact Material=GoldoverNickelPlated, Datasheet URL=http://www.farnell.com/datasheets/1683364.pdf, Datasheet Version=Apr-10, Manufacturer URL=http://eozonline.com/, Mechanical Life=10000Operations, Mounting Type=ThroughHole, Number of Positions=2
TP1 TP2 TP3 TP4 TP5 TP6 TP8 TP9 TP10 TP12: library part CMP-2000-05182-1, "Test Point, White, 1-Pin THD, RoHS, Bulk", Color=White, Manufacturer=KeystoneElectronics, Brand=KeystoneElectronics, Contact Material=PhosphorBronze, Datasheet URL=https://ciiva.com/datasheet-click-2917627?src=ciiva&sig=bd195616, Datasheet Version="Rev. G, 12/2008", Length=7.62mm, Manufacturer URL=http://www.keyelco.com/, Material=Nylon, Mounting Hole Size=1mm, Outside Diameter=2.54mm, Packaging=Bulk, Plating=Silver, Product=TestPoints, Product Category=CircuitBoardHardware-PCB, RoHS=True, Type=Miniature
TP11 TP14 TP15 TP16: library part CMP-2000-05181-1, "Test Point, Black, 1-Pin THD, RoHS, Bulk", Alternate Color="5004K-ND / -TESTPOINTPCMINI.040\"DYELLOW / 5003K-ND / -TESTPOINTPCMINI.040\"DORANGE / 5002K-ND / -TESTPOINTPCMINI.040\"DWHITE / 5000K-ND / -TESTPOINTPCMINI.040\"DRED", Color=Black, Manufacturer=Keystone, Standard Package=100, Catalog Drawings=5000Series, Category=TestandMeasurement, Datasheet URL=https://ciiva.com/datasheet-click-2917627?src=ciiva&sig=bd195616, Datasheet Version="Rev. G, 12/2008", Family=TestPoints, Kits="DKTGRS232C-KIT-ND / -TTLCONVERTER", Manufacturer URL=http://www.keyelco.com/, Material=Base,Nylon46,UL94V-0, Mounting Type="0.040\"(1.02mm)HoleDiameter", Online Catalog=ColorCodedTestPoints, Other Names=5001K, Packaging=Bulk, RoHS Information=RoHSComplianceStatement, Series=THM, Terminal="0.010\"x0.020\"(0.25mmx0.51mm)PhosphorBronzeWire,SilverPlated", Type=PCTestPoint,Miniature
U3: library part CMP-0784-00254-1, "Ultralow Noise, High Accuracy Voltage Reference, 2.5 V Output, 3 to 15 V Supply, Industrial, 8-pin SOIC (R-8), Tube", Manufacturer="Analog Devices", Operating Temp Range="-40 to 125 degC", Code_JEDEC=MS-012-AA, ComponentLink1Description="Manufacturer URL", ComponentLink1URL=http://www.analog.com/en/index.html, ComponentLink2Description=Datasheet, ComponentLink2URL=http://www.analog.com/static/imported-files/data_sheets/ADR4520_4525_4530_4533_4540_4550.pdf, ComponentLink3Description="Package Specification", ComponentLink3URL=http://www.analog.com/static/imported-files/packages/PKG_PDF/SOIC_Narrow%20(R)/R_8.pdf, ComponentLink4Description="URL Link1", ComponentLink4URL="Product URL:http://www.analog.com/en/special-linear-functions/voltage-references/adr4525/products/product.html", DatasheetVersion="Rev. 0", Max V Supply (V)=15, Min V Supply (V)=3, Mounting Technology="Surface Mount", PackageDescription="8-Pin Standard Small Outline Package, Body 4.9 x 3.9 mm, Pitch 1.27 mm", PackageReference=R-8, PackageVersion="060506-A, 06/2006", Packing=Tube, PartNumber=ADR4525BRZ, Ref Out TC (ppm/C)=2, Vout="2.5V Reference"
U4: "Integrated Circuit", Manufacturer_Name="Maxim Integrated", Mouser Part Number=700-MAX11254ATJ+, RS Part Number=1904590, Datasheet Link=https://componentsearchengine.com/Datasheets/1/MAX11254ATJ+.pdf, Height=0.8mm, Manufacturer_Part_Number=MAX11254ATJ+, Mouser Price/Stock=https://www.mouser.com/Search/Refine.aspx?Keyword=700-MAX11254ATJ%2B, RS Price/Stock=http://uk.rs-online.com/web/p/products/1904590
U7 U15: library part CMP-0384-01713-2, "Single Channel RRIO Operational Amplifier, 6.5 MHz BW, 500 mV/us SR, Industrial, 8-pin SOP (RM-8), Tube", Amplifiers Per Package=1, Generic Part Number=ADA4528-1, Input Bias Current=90pA, Input Offset Voltage=300nV, Manufacturer="Analog Devices", Code_JEDEC=MO-187-AA, ComponentLink1Description="Manufacturer URL", ComponentLink1URL=http://www.analog.com/en/index.html, ComponentLink2Description=Datasheet, ComponentLink2URL=http://www.analog.com/static/imported-files/data_sheets/ADA4528-1_4528-2.pdf, ComponentLink3Description="Package Specification", ComponentLink3URL=http://www.analog.com/static/imported-files/packages/PKG_PDF/MSOP%28RM%29/RM_8.pdf, ComponentLink4Description="Reference Circuit", ComponentLink4URL=http://search.analog.com/search/ProductSearch.aspx?query=ada4528-1&amp;locale=en#product-recommendations, DatasheetVersion="Rev. C", Iq/Amp=1.4mA, Mounting Technology="Surface Mount", PackageDescription="8-Pin Mini Small Outline Package, Body 3 x 3 mm, Pitch 0.65 mm", PackageReference=RM-8, Packing=Tube, PartNumber=ADA4528-1ARMZ, RevisionNote="Reference Circuit URL fixed", Slew Rate=500mV/us, Small Signal Bandwidth=6.5MHz, V Span Max=5.5V, V Span Min=2.2V
U8: library part CMP-0859-00826-3, "1-of-2 Decoder/Demultiplexer, DRL0006A, LARGE T&R", F @ Nom Voltage(Max)(Mhz)=150, Generic Part Number=SN74LVC1G19, ICC @ Nom Voltage(Max)(mA)=0.01, Manufacturer="Texas Instruments", Operating Temperature Range(C)="-40 to 85", Rating=Catalog, tpd @ Nom Voltage(Max)(ns)=16.1,6.5,5.2,3.9, Voltage(Nom)(V)=1.8,2.5,3.3,5, 3-State Output=No, Bits(#)=1, DatasheetVersion=SCES464F, Input Type=CMOS/TTL, Logic=True, Output Drive (IOL/IOH)(Max)(mA)=32/-32, Output Type=CMOS, PackageReference=DRL0006A, Schmitt Trigger=No, Specialty Logic Family=Decoder/Encoder/Multiplexer, Sub-Family=Decoder/Encoder/Multiplexer, Technology Family=LVC, VCC(Max)(V)=5.5, VCC(Min)(V)=1.65
U9 U13: library part CMP-09116-000003-2, "IC OPAMP ZERO-DRIFT 2 CIRC 8MSOP", Case/Package=MSOP, Input Bias Current=50pA, Input Offset Voltage (Vos)=1.5uV, Max Dual Supply Voltage=27.5V, Max Operating Temperature=125°C, Max Supply Voltage=55V, Min Dual Supply Voltage=2.25V, Min Operating Temperature=-40°C, Min Supply Voltage=4.5V, Operating Supply Current=830uA, Output Current per Channel=32mA, Power Supply Rejection Ratio (PSRR)=150dB, Voltage Gain=137dB, Common Mode Rejection Ratio=140dB, Gain Bandwidth Product=2.7MHz, Lead Free="Contains Lead", Mount="Surface Mount", Number of Pins=8, Packaging=Rail/Tube, Slew Rate=1.7V/µs
U10 U12: "No Description Available", Copyright="Copyright (C) 2018 Accelerated Designs. All rights reserved", RefDes=RefDes
  U10: Type=DEV
  U12: Type=Type
U11: library part CMP-04895-000017-1, "IC OPAMP PGA 1 CIRCUIT 16TSSOP", Input Bias Current=0.0008uA, Input Offset Voltage=0.12mV, Manufacturer="Texas Instruments", Max Dual Supply Voltage=18V, Max Junction Temp=+150°C, Max Supply Voltage=36V, Min Dual Supply Voltage=15.5V, Min Supply Voltage=10V, Package=PW0016A, Temperature="-40°C to +125°C", Temperature Range High=+125°C, Temperature Range Low=-40°C, Automotive=No, Category=IC, ComponentLink2Description=Datasheet, ComponentLink2URL=http://www.ti.com/lit/ds/symlink/pga281.pdf, Device Class L1="Integrated Circuits (ICs)", Device Class L2="Linear ICs", Device Class L3=Instrumentation, Digikey Description="IC OPAMP PGA 1 CIRCUIT 16TSSOP", Gain Bandwidth=6MHz, Height=1.2mm, Lead Free=Yes, Manufacturer Part Number=PGA281AIPWR, Mouser Description="Instrumentation Amplifiers Zero-Drift,High Vltg Program Gain Amp", Number Of Channels=1, Octopart=https://octopart.com/pga281aipwr-texas+instruments-28037191, RoHS=TRUE, Standoff Height=0.05mm

## Free pads (board coordinates)
  round 60 hole 50 paste+0: 0(-2660,-5) 0(-1417,-873) 0(-1417,862) 0(-175,-5)
  round 70 / inner round 70 / far side round 0 hole 55: 1(-5691.89,-661.41) 1(-5691.89,-561.41) 1(-5691.89,-461.41) 1(-5691.89,-361.41) 1(-5691.89,-261.41) 1(-5691.89,-161.41) 1(-5691.89,-61.41) 1(-5591.89,-661.41) 1(-5591.89,-561.41) 1(-5591.89,-461.41) 1(-5591.89,-361.41) 1(-5591.89,-261.41) 1(-5591.89,-161.41) 1(-5591.89,-61.41)
  round 0 hole 120 unplated mask+120: ""(-5000,-755) ""(-5000,745)
  round 220 hole 120: ""(0,0)

## Via types
v1: diameter 25, hole 15, L1 to L4, tented both sides, 770 vias
v2: diameter 35, hole 20, L1 to L4, tented both sides, 109 vias
v3: diameter 20, hole 12, L1 to L4, tented both sides, 59 vias
v4: diameter 28, hole 15, L1 to L4, tented both sides, 26 vias
v5: diameter 50, hole 28, L1 to L4, tented both sides, 16 vias
v6: diameter 70.87, hole 43.31, L1 to L4, tented both sides, 6 vias
v7: diameter 40, hole 25, L1 to L4, tented both sides, 2 vias
v8: diameter 35, hole 20, L1 to L4, tented top, 1 vias
v9: diameter 40, hole 20, L1 to L4, tented both sides, 1 vias

## Nets (pads, with @x,y where several pads share a name; then routed paths per layer and width w, separated by ;. In a path a pad name is that pad's centre, name@x,y a point inside that pad or via, vN(x,y) a via of type N, cw(c..) or ccw(c..) an arc to the next point about the centre after c; other vN are vias at no path point)
2.5Vref: C11.1 R5.1 U3.6 | length 199.2
  L1 w30: U3.6@-2076.44,-702.41 -2076.22,-702.62 C11.1@-1963.11,-702.62 ; C11.1@-1962.89,-702.84 -1961.8,-703.93 -1879.09,-703.93 R5.1@-1878,-705.02